# KiCad board CustomKeyboard-Simplified.kicad_pcb
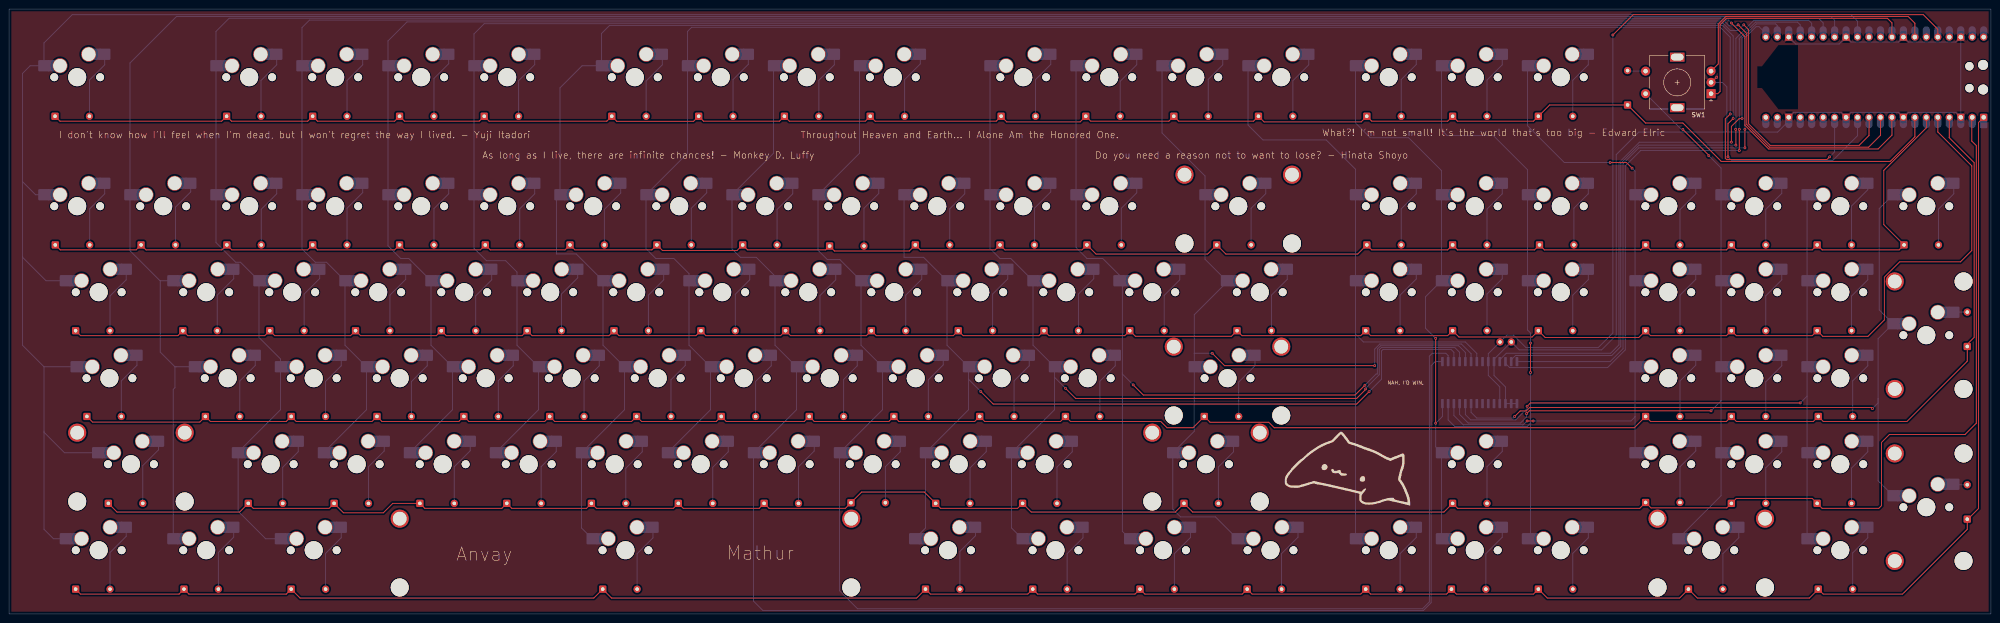
[diagram p0: board, top side]
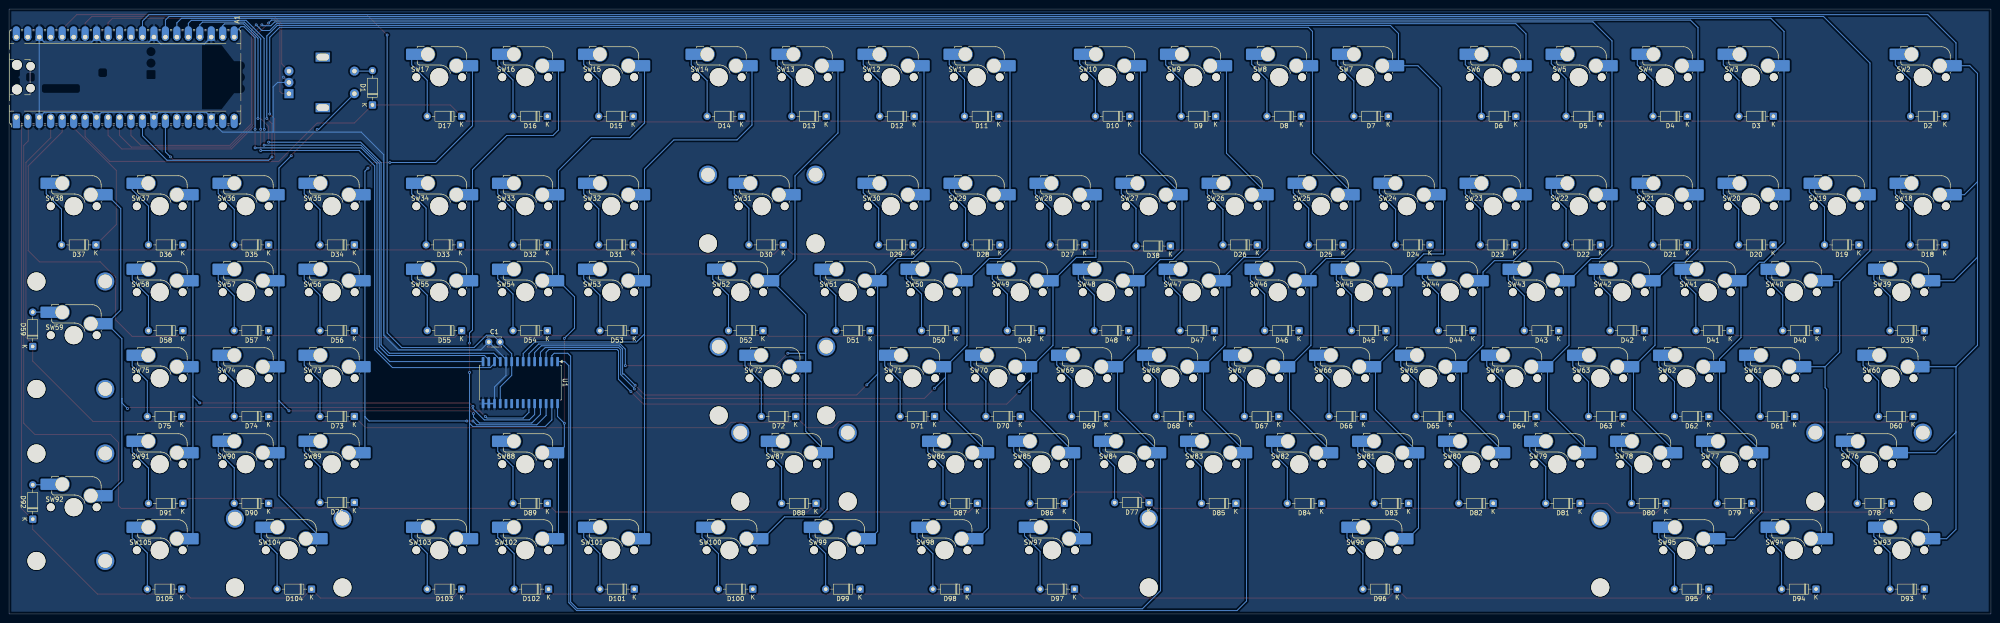
[diagram p1: board, bottom side, seen from below]

Outline 439 x 134 mm; copper layers: Top, Bottom. Coordinates in mm from the lower left corner of the outline.
Outline path: rectangle 0,134 439,0

## Placement (name value [footprint] x y rotation side)
A1  RaspberryPi_Pico  [RaspberryPi_Pico_Common_Unspecified]  413.26 118.9 90 bottom
C1  C-0.1uF  [C_Disc_D3.0mm_W2.0mm_P2.50mm]  332.75 60.25 180 bottom
D1  1N4148  [D_DO-35_SOD27_P7.62mm_Horizontal]  358.5 112.75 90 bottom
D2  1N4148  [D_DO-35_SOD27_P7.62mm_Horizontal]  10.19 110.25 0 bottom
D3  1N4148  [D_DO-35_SOD27_P7.62mm_Horizontal]  48.19 110.25 0 bottom
D4  1N4148  [D_DO-35_SOD27_P7.62mm_Horizontal]  67.25 110.25 0 bottom
D5  1N4148  [D_DO-35_SOD27_P7.62mm_Horizontal]  86.5 110.25 0 bottom
D6  1N4148  [D_DO-35_SOD27_P7.62mm_Horizontal]  105.25 110.25 0 bottom
D7  1N4148  [D_DO-35_SOD27_P7.62mm_Horizontal]  133.5 110.25 0 bottom
D8  1N4148  [D_DO-35_SOD27_P7.62mm_Horizontal]  152.75 110.25 0 bottom
D9  1N4148  [D_DO-35_SOD27_P7.62mm_Horizontal]  171.75 110.25 0 bottom
D10  1N4148  [D_DO-35_SOD27_P7.62mm_Horizontal]  190.75 110.25 0 bottom
D11  1N4148  [D_DO-35_SOD27_P7.62mm_Horizontal]  219.75 110.25 0 bottom
D12  1N4148  [D_DO-35_SOD27_P7.62mm_Horizontal]  238.5 110.25 0 bottom
D13  1N4148  [D_DO-35_SOD27_P7.62mm_Horizontal]  258 110.25 0 bottom
D14  1N4148  [D_DO-35_SOD27_P7.62mm_Horizontal]  276.75 110.25 0 bottom
D15  1N4148  [D_DO-35_SOD27_P7.62mm_Horizontal]  300.75 110.25 0 bottom
D16  1N4148  [D_DO-35_SOD27_P7.62mm_Horizontal]  319.75 110.25 0 bottom
D17  1N4148  [D_DO-35_SOD27_P7.62mm_Horizontal]  338.75 110.25 0 bottom
D18  1N4148  [D_DO-35_SOD27_P7.62mm_Horizontal]  10.25 81.75 0 bottom
D19  1N4148  [D_DO-35_SOD27_P7.62mm_Horizontal]  29.25 81.75 0 bottom
D20  1N4148  [D_DO-35_SOD27_P7.62mm_Horizontal]  48.25 81.75 0 bottom
D21  1N4148  [D_DO-35_SOD27_P7.62mm_Horizontal]  67.25 81.75 0 bottom
D22  1N4148  [D_DO-35_SOD27_P7.62mm_Horizontal]  86.5 81.75 0 bottom
D23  1N4148  [D_DO-35_SOD27_P7.62mm_Horizontal]  105.5 81.75 0 bottom
D24  1N4148  [D_DO-35_SOD27_P7.62mm_Horizontal]  124.25 81.75 0 bottom
D25  1N4148  [D_DO-35_SOD27_P7.62mm_Horizontal]  143.5 81.75 0 bottom
D26  1N4148  [D_DO-35_SOD27_P7.62mm_Horizontal]  162.5 81.75 0 bottom
D27  1N4148  [D_DO-35_SOD27_P7.62mm_Horizontal]  200.75 81.75 0 bottom
D28  1N4148  [D_DO-35_SOD27_P7.62mm_Horizontal]  219.5 81.75 0 bottom
D29  1N4148  [D_DO-35_SOD27_P7.62mm_Horizontal]  238.75 81.75 0 bottom
D30  1N4148  [D_DO-35_SOD27_P7.62mm_Horizontal]  267.5 81.75 0 bottom
D31  1N4148  [D_DO-35_SOD27_P7.62mm_Horizontal]  300.75 81.75 0 bottom
D32  1N4148  [D_DO-35_SOD27_P7.62mm_Horizontal]  319.75 81.75 0 bottom
D33  1N4148  [D_DO-35_SOD27_P7.62mm_Horizontal]  339 81.75 0 bottom
D34  1N4148  [D_DO-35_SOD27_P7.62mm_Horizontal]  362.5 81.75 0 bottom
D35  1N4148  [D_DO-35_SOD27_P7.62mm_Horizontal]  381.5 81.75 0 bottom
D36  1N4148  [D_DO-35_SOD27_P7.62mm_Horizontal]  400.5 81.75 0 bottom
D37  1N4148  [D_DO-35_SOD27_P7.62mm_Horizontal]  419.75 81.75 0 bottom
D38  1N4148  [D_DO-35_SOD27_P7.62mm_Horizontal]  181.75 81.5 0 bottom
D39  1N4148  [D_DO-35_SOD27_P7.62mm_Horizontal]  14.75 62.75 0 bottom
D40  1N4148  [D_DO-35_SOD27_P7.62mm_Horizontal]  38.5 62.75 0 bottom
D41  1N4148  [D_DO-35_SOD27_P7.62mm_Horizontal]  57.75 62.75 0 bottom
D42  1N4148  [D_DO-35_SOD27_P7.62mm_Horizontal]  76.75 62.75 0 bottom
D43  1N4148  [D_DO-35_SOD27_P7.62mm_Horizontal]  95.75 62.75 0 bottom
D44  1N4148  [D_DO-35_SOD27_P7.62mm_Horizontal]  114.75 62.75 0 bottom
D45  1N4148  [D_DO-35_SOD27_P7.62mm_Horizontal]  134 62.75 0 bottom
D46  1N4148  [D_DO-35_SOD27_P7.62mm_Horizontal]  153.25 62.75 0 bottom
D47  1N4148  [D_DO-35_SOD27_P7.62mm_Horizontal]  172 62.75 0 bottom
D48  1N4148  [D_DO-35_SOD27_P7.62mm_Horizontal]  191 62.75 0 bottom
D49  1N4148  [D_DO-35_SOD27_P7.62mm_Horizontal]  210.25 62.75 0 bottom
D50  1N4148  [D_DO-35_SOD27_P7.62mm_Horizontal]  229.25 62.75 0 bottom
D51  1N4148  [D_DO-35_SOD27_P7.62mm_Horizontal]  248.25 62.75 0 bottom
D52  1N4148  [D_DO-35_SOD27_P7.62mm_Horizontal]  272 62.75 0 bottom
D53  1N4148  [D_DO-35_SOD27_P7.62mm_Horizontal]  300.5 62.75 0 bottom
D54  1N4148  [D_DO-35_SOD27_P7.62mm_Horizontal]  319.75 62.75 0 bottom
D55  1N4148  [D_DO-35_SOD27_P7.62mm_Horizontal]  338.75 62.75 0 bottom
D56  1N4148  [D_DO-35_SOD27_P7.62mm_Horizontal]  362.5 62.75 0 bottom
D57  1N4148  [D_DO-35_SOD27_P7.62mm_Horizontal]  381.5 62.75 0 bottom
D58  1N4148  [D_DO-35_SOD27_P7.62mm_Horizontal]  400.5 62.75 0 bottom
D59  1N4148  [D_DO-35_SOD27_P7.62mm_Horizontal]  433.75 59.25 90 bottom
D60  1N4148  [D_DO-35_SOD27_P7.62mm_Horizontal]  17.25 43.75 0 bottom
D61  1N4148  [D_DO-35_SOD27_P7.62mm_Horizontal]  43.5 43.75 0 bottom
D62  1N4148  [D_DO-35_SOD27_P7.62mm_Horizontal]  62.5 43.75 0 bottom
D63  1N4148  [D_DO-35_SOD27_P7.62mm_Horizontal]  81.5 43.75 0 bottom
D64  1N4148  [D_DO-35_SOD27_P7.62mm_Horizontal]  100.75 43.75 0 bottom
D65  1N4148  [D_DO-35_SOD27_P7.62mm_Horizontal]  119.75 43.75 0 bottom
D66  1N4148  [D_DO-35_SOD27_P7.62mm_Horizontal]  139 43.75 0 bottom
D67  1N4148  [D_DO-35_SOD27_P7.62mm_Horizontal]  157.75 43.75 0 bottom
D68  1N4148  [D_DO-35_SOD27_P7.62mm_Horizontal]  177.25 43.75 0 bottom
D69  1N4148  [D_DO-35_SOD27_P7.62mm_Horizontal]  196 43.75 0 bottom
D70  1N4148  [D_DO-35_SOD27_P7.62mm_Horizontal]  215 43.75 0 bottom
D71  1N4148  [D_DO-35_SOD27_P7.62mm_Horizontal]  234 43.75 0 bottom
D72  1N4148  [D_DO-35_SOD27_P7.62mm_Horizontal]  264.75 43.75 0 bottom
D73  1N4148  [D_DO-35_SOD27_P7.62mm_Horizontal]  362.5 43.75 0 bottom
D74  1N4148  [D_DO-35_SOD27_P7.62mm_Horizontal]  381.5 43.75 0 bottom
D75  1N4148  [D_DO-35_SOD27_P7.62mm_Horizontal]  400.75 43.75 0 bottom
D76  1N4148  [D_DO-35_SOD27_P7.62mm_Horizontal]  362.5 24.7 0 bottom
D77  1N4148  [D_DO-35_SOD27_P7.62mm_Horizontal]  186.49 24.65 0 bottom
D78  1N4148  [D_DO-35_SOD27_P7.62mm_Horizontal]  22 24.5 0 bottom
D79  1N4148  [D_DO-35_SOD27_P7.62mm_Horizontal]  53 24.5 0 bottom
D80  1N4148  [D_DO-35_SOD27_P7.62mm_Horizontal]  72 24.5 0 bottom
D81  1N4148  [D_DO-35_SOD27_P7.62mm_Horizontal]  91 24.5 0 bottom
D82  1N4148  [D_DO-35_SOD27_P7.62mm_Horizontal]  110.25 24.5 0 bottom
D83  1N4148  [D_DO-35_SOD27_P7.62mm_Horizontal]  129 24.5 0 bottom
D84  1N4148  [D_DO-35_SOD27_P7.62mm_Horizontal]  148.25 24.5 0 bottom
D85  1N4148  [D_DO-35_SOD27_P7.62mm_Horizontal]  167.25 24.5 0 bottom
D86  1N4148  [D_DO-35_SOD27_P7.62mm_Horizontal]  205.25 24.5 0 bottom
D87  1N4148  [D_DO-35_SOD27_P7.62mm_Horizontal]  224.5 24.5 0 bottom
D88  1N4148  [D_DO-35_SOD27_P7.62mm_Horizontal]  260.25 24.5 0 bottom
D89  1N4148  [D_DO-35_SOD27_P7.62mm_Horizontal]  319.75 24.5 0 bottom
D90  1N4148  [D_DO-35_SOD27_P7.62mm_Horizontal]  381.5 24.5 0 bottom
D91  1N4148  [D_DO-35_SOD27_P7.62mm_Horizontal]  400.5 24.5 0 bottom
D92  1N4148  [D_DO-35_SOD27_P7.62mm_Horizontal]  433.75 21 90 bottom
D93  1N4148  [D_DO-35_SOD27_P7.62mm_Horizontal]  14.75 5.5 0 bottom
D94  1N4148  [D_DO-35_SOD27_P7.62mm_Horizontal]  38.75 5.5 0 bottom
D95  1N4148  [D_DO-35_SOD27_P7.62mm_Horizontal]  62.5 5.5 0 bottom
D96  1N4148  [D_DO-35_SOD27_P7.62mm_Horizontal]  131.5 5.5 0 bottom
D97  1N4148  [D_DO-35_SOD27_P7.62mm_Horizontal]  203 5.5 0 bottom
D98  1N4148  [D_DO-35_SOD27_P7.62mm_Horizontal]  226.75 5.5 0 bottom
D99  1N4148  [D_DO-35_SOD27_P7.62mm_Horizontal]  250.5 5.5 0 bottom
D100  1N4148  [D_DO-35_SOD27_P7.62mm_Horizontal]  274.25 5.5 0 bottom
D101  1N4148  [D_DO-35_SOD27_P7.62mm_Horizontal]  300.5 5.5 0 bottom
D102  1N4148  [D_DO-35_SOD27_P7.62mm_Horizontal]  319.5 5.5 0 bottom
D103  1N4148  [D_DO-35_SOD27_P7.62mm_Horizontal]  338.75 5.5 0 bottom
D104  1N4148  [D_DO-35_SOD27_P7.62mm_Horizontal]  372 5.5 0 bottom
D105  1N4148  [D_DO-35_SOD27_P7.62mm_Horizontal]  400.75 5.5 0 bottom
G***  -  [LOGO]  298.47 31.67 0 top
S1  MX_stab  [STAB_MX_P_2u]  272.27 90.33 0 top
S2  MX_stab  [STAB_MX_P_2u]  424.68 61.75 90 top
S3  MX_stab  [STAB_MX_P_2.25u]  269.89 52.22 0 top
S4  MX_stab  [STAB_MX_P_2.75u]  265.13 33.17 0 top
S5  MX_stab  [STAB_MX_P_2.25u]  27.01 33.17 0 top
S6  MX_stab  [STAB_MX_P_2u]  424.68 23.65 90 top
S7  MX_stab  [STAB_MX_P_2u]  377.05 14.12 0 top
S8  MX_stab  [STAB_MX_P_6.25u]  136.54 14.12 0 top
SW1  RotaryEncoder_Switch  [RotaryEncoder_Alps_EC11E-Switch_Vertical_H20mm]  377 115.25 180 top
SW2  SW_Push_45deg  [SW_MX_HS_CPG151101S11_1u]  15.1 118.9 180 bottom
SW3  SW_Push_45deg  [SW_MX_HS_CPG151101S11_1u]  53.2 118.9 180 bottom
SW4  SW_Push_45deg  [SW_MX_HS_CPG151101S11_1u]  72.25 118.9 180 bottom
SW5  SW_Push_45deg  [SW_MX_HS_CPG151101S11_1u]  91.3 118.9 180 bottom
SW6  SW_Push_45deg  [SW_MX_HS_CPG151101S11_1u]  110.35 118.9 180 bottom
SW7  SW_Push_45deg  [SW_MX_HS_CPG151101S11_1u]  138.61 118.9 180 bottom
SW8  SW_Push_45deg  [SW_MX_HS_CPG151101S11_1u]  157.66 118.9 180 bottom
SW9  SW_Push_45deg  [SW_MX_HS_CPG151101S11_1u]  176.71 118.9 180 bottom
SW10  SW_Push_45deg  [SW_MX_HS_CPG151101S11_1u]  195.76 118.9 180 bottom
SW11  SW_Push_45deg  [SW_MX_HS_CPG151101S11_1u]  224.65 118.9 180 bottom
SW12  SW_Push_45deg  [SW_MX_HS_CPG151101S11_1u]  243.7 118.9 180 bottom
SW13  SW_Push_45deg  [SW_MX_HS_CPG151101S11_1u]  262.75 118.9 180 bottom
SW14  SW_Push_45deg  [SW_MX_HS_CPG151101S11_1u]  281.8 118.9 180 bottom
SW15  SW_Push_45deg  [SW_MX_HS_CPG151101S11_1u]  305.61 118.9 180 bottom
SW16  SW_Push_45deg  [SW_MX_HS_CPG151101S11_1u]  324.66 118.9 180 bottom
SW17  SW_Push_45deg  [SW_MX_HS_CPG151101S11_1u]  343.71 118.9 180 bottom
SW18  SW_Push_45deg  [SW_MX_HS_CPG151101S11_1u]  15.1 90.33 180 bottom
SW19  SW_Push_45deg  [SW_MX_HS_CPG151101S11_1u]  34.15 90.33 180 bottom
SW20  SW_Push_45deg  [SW_MX_HS_CPG151101S11_1u]  53.2 90.33 180 bottom
SW21  SW_Push_45deg  [SW_MX_HS_CPG151101S11_1u]  72.25 90.33 180 bottom
SW22  SW_Push_45deg  [SW_MX_HS_CPG151101S11_1u]  91.3 90.33 180 bottom
SW23  SW_Push_45deg  [SW_MX_HS_CPG151101S11_1u]  110.35 90.33 180 bottom
SW24  SW_Push_45deg  [SW_MX_HS_CPG151101S11_1u]  129.4 90.33 180 bottom
SW25  SW_Push_45deg  [SW_MX_HS_CPG151101S11_1u]  148.45 90.33 180 bottom
SW26  SW_Push_45deg  [SW_MX_HS_CPG151101S11_1u]  167.5 90.33 180 bottom
SW27  SW_Push_45deg  [SW_MX_HS_CPG151101S11_1u]  186.55 90.33 180 bottom
SW28  SW_Push_45deg  [SW_MX_HS_CPG151101S11_1u]  205.6 90.33 180 bottom
SW29  SW_Push_45deg  [SW_MX_HS_CPG151101S11_1u]  224.65 90.33 180 bottom
SW30  SW_Push_45deg  [SW_MX_HS_CPG151101S11_1u]  243.7 90.33 180 bottom
SW31  SW_Push_45deg  [SW_MX_HS_CPG151101S11_1u]  272.27 90.33 180 bottom
SW32  SW_Push_45deg  [SW_MX_HS_CPG151101S11_1u]  305.61 90.33 180 bottom
SW33  SW_Push_45deg  [SW_MX_HS_CPG151101S11_1u]  324.66 90.33 180 bottom
SW34  SW_Push_45deg  [SW_MX_HS_CPG151101S11_1u]  343.71 90.33 180 bottom
SW35  SW_Push_45deg  [SW_MX_HS_CPG151101S11_1u]  367.52 90.33 180 bottom
SW36  SW_Push_45deg  [SW_MX_HS_CPG151101S11_1u]  386.57 90.33 180 bottom
SW37  SW_Push_45deg  [SW_MX_HS_CPG151101S11_1u]  405.62 90.33 180 bottom
SW38  SW_Push_45deg  [SW_MX_HS_CPG151101S11_1u]  424.68 90.33 180 bottom
SW39  SW_Push_45deg  [SW_MX_HS_CPG151101S11_1u]  19.86 71.28 180 bottom
SW40  SW_Push_45deg  [SW_MX_HS_CPG151101S11_1u]  43.67 71.28 180 bottom
SW41  SW_Push_45deg  [SW_MX_HS_CPG151101S11_1u]  62.72 71.28 180 bottom
SW42  SW_Push_45deg  [SW_MX_HS_CPG151101S11_1u]  81.78 71.28 180 bottom
SW43  SW_Push_45deg  [SW_MX_HS_CPG151101S11_1u]  100.83 71.28 180 bottom
SW44  SW_Push_45deg  [SW_MX_HS_CPG151101S11_1u]  119.88 71.28 180 bottom
SW45  SW_Push_45deg  [SW_MX_HS_CPG151101S11_1u]  138.93 71.28 180 bottom
SW46  SW_Push_45deg  [SW_MX_HS_CPG151101S11_1u]  157.97 71.28 180 bottom
SW47  SW_Push_45deg  [SW_MX_HS_CPG151101S11_1u]  177.03 71.28 180 bottom
SW48  SW_Push_45deg  [SW_MX_HS_CPG151101S11_1u]  196.07 71.28 180 bottom
SW49  SW_Push_45deg  [SW_MX_HS_CPG151101S11_1u]  215.12 71.28 180 bottom
SW50  SW_Push_45deg  [SW_MX_HS_CPG151101S11_1u]  234.18 71.28 180 bottom
SW51  SW_Push_45deg  [SW_MX_HS_CPG151101S11_1u]  253.23 71.28 180 bottom
SW52  SW_Push_45deg  [SW_MX_HS_CPG151101S11_1u]  277.04 71.28 180 bottom
SW53  SW_Push_45deg  [SW_MX_HS_CPG151101S11_1u]  305.61 71.28 180 bottom
SW54  SW_Push_45deg  [SW_MX_HS_CPG151101S11_1u]  324.66 71.28 180 bottom
SW55  SW_Push_45deg  [SW_MX_HS_CPG151101S11_1u]  343.71 71.28 180 bottom
SW56  SW_Push_45deg  [SW_MX_HS_CPG151101S11_1u]  367.52 71.28 180 bottom
SW57  SW_Push_45deg  [SW_MX_HS_CPG151101S11_1u]  386.57 71.28 180 bottom
SW58  SW_Push_45deg  [SW_MX_HS_CPG151101S11_1u]  405.62 71.28 180 bottom
SW59  SW_Push_45deg  [SW_MX_HS_CPG151101S11_1u]  424.68 61.75 180 bottom
SW60  SW_Push_45deg  [SW_MX_HS_CPG151101S11_1u]  22.24 52.22 180 bottom
SW61  SW_Push_45deg  [SW_MX_HS_CPG151101S11_1u]  48.44 52.22 180 bottom
SW62  SW_Push_45deg  [SW_MX_HS_CPG151101S11_1u]  67.49 52.22 180 bottom
SW63  SW_Push_45deg  [SW_MX_HS_CPG151101S11_1u]  86.54 52.22 180 bottom
SW64  SW_Push_45deg  [SW_MX_HS_CPG151101S11_1u]  105.59 52.22 180 bottom
SW65  SW_Push_45deg  [SW_MX_HS_CPG151101S11_1u]  124.64 52.22 180 bottom
SW66  SW_Push_45deg  [SW_MX_HS_CPG151101S11_1u]  143.69 52.22 180 bottom
SW67  SW_Push_45deg  [SW_MX_HS_CPG151101S11_1u]  162.74 52.22 180 bottom
SW68  SW_Push_45deg  [SW_MX_HS_CPG151101S11_1u]  181.79 52.22 180 bottom
SW69  SW_Push_45deg  [SW_MX_HS_CPG151101S11_1u]  200.84 52.22 180 bottom
SW70  SW_Push_45deg  [SW_MX_HS_CPG151101S11_1u]  219.89 52.22 180 bottom
SW71  SW_Push_45deg  [SW_MX_HS_CPG151101S11_1u]  238.94 52.22 180 bottom
SW72  SW_Push_45deg  [SW_MX_HS_CPG151101S11_1u]  269.89 52.22 180 bottom
SW73  SW_Push_45deg  [SW_MX_HS_CPG151101S11_1u]  367.52 52.22 180 bottom
SW74  SW_Push_45deg  [SW_MX_HS_CPG151101S11_1u]  386.57 52.22 180 bottom
SW75  SW_Push_45deg  [SW_MX_HS_CPG151101S11_1u]  405.62 52.22 180 bottom
SW76  SW_Push_45deg  [SW_MX_HS_CPG151101S11_1u]  27.01 33.17 180 bottom
SW77  SW_Push_45deg  [SW_MX_HS_CPG151101S11_1u]  57.96 33.17 180 bottom
SW78  SW_Push_45deg  [SW_MX_HS_CPG151101S11_1u]  77.01 33.17 180 bottom
SW79  SW_Push_45deg  [SW_MX_HS_CPG151101S11_1u]  96.06 33.17 180 bottom
SW80  SW_Push_45deg  [SW_MX_HS_CPG151101S11_1u]  115.11 33.17 180 bottom
SW81  SW_Push_45deg  [SW_MX_HS_CPG151101S11_1u]  134.16 33.17 180 bottom
SW82  SW_Push_45deg  [SW_MX_HS_CPG151101S11_1u]  153.21 33.17 180 bottom
SW83  SW_Push_45deg  [SW_MX_HS_CPG151101S11_1u]  172.26 33.17 180 bottom
SW84  SW_Push_45deg  [SW_MX_HS_CPG151101S11_1u]  191.31 33.17 180 bottom
SW85  SW_Push_45deg  [SW_MX_HS_CPG151101S11_1u]  210.36 33.17 180 bottom
SW86  SW_Push_45deg  [SW_MX_HS_CPG151101S11_1u]  229.41 33.17 180 bottom
SW87  SW_Push_45deg  [SW_MX_HS_CPG151101S11_1u]  265.13 33.17 180 bottom
SW88  SW_Push_45deg  [SW_MX_HS_CPG151101S11_1u]  324.66 33.17 180 bottom
SW89  SW_Push_45deg  [SW_MX_HS_CPG151101S11_1u]  367.52 33.17 180 bottom
SW90  SW_Push_45deg  [SW_MX_HS_CPG151101S11_1u]  386.57 33.17 180 bottom
SW91  SW_Push_45deg  [SW_MX_HS_CPG151101S11_1u]  405.62 33.17 180 bottom
SW92  SW_Push_45deg  [SW_MX_HS_CPG151101S11_1u]  424.68 23.65 180 bottom
SW93  SW_Push_45deg  [SW_MX_HS_CPG151101S11_1u]  19.86 14.12 180 bottom
SW94  SW_Push_45deg  [SW_MX_HS_CPG151101S11_1u]  43.67 14.12 180 bottom
SW95  SW_Push_45deg  [SW_MX_HS_CPG151101S11_1u]  67.49 14.12 180 bottom
SW96  SW_Push_45deg  [SW_MX_HS_CPG151101S11_1u]  136.54 14.12 180 bottom
SW97  SW_Push_45deg  [SW_MX_HS_CPG151101S11_1u]  207.98 14.12 180 bottom
SW98  SW_Push_45deg  [SW_MX_HS_CPG151101S11_1u]  231.79 14.12 180 bottom
SW99  SW_Push_45deg  [SW_MX_HS_CPG151101S11_1u]  255.61 14.12 180 bottom
SW100  SW_Push_45deg  [SW_MX_HS_CPG151101S11_1u]  279.42 14.12 180 bottom
SW101  SW_Push_45deg  [SW_MX_HS_CPG151101S11_1u]  305.61 14.12 180 bottom
SW102  SW_Push_45deg  [SW_MX_HS_CPG151101S11_1u]  324.66 14.12 180 bottom
SW103  SW_Push_45deg  [SW_MX_HS_CPG151101S11_1u]  343.71 14.12 180 bottom
SW104  SW_Push_45deg  [SW_MX_HS_CPG151101S11_1u]  377.05 14.12 180 bottom
SW105  SW_Push_45deg  [SW_MX_HS_CPG151101S11_1u]  405.62 14.12 180 bottom
U1  MCP23S17x-x-SO  [SOIC-28W_7.5x17.9mm_P1.27mm]  325.75 51.25 270 bottom

## Library data of the parts
A1 = -: Datasheet: https://datasheets.raspberrypi.com/pico/pico-datasheet.pdf; Description: Versatile and inexpensive microcontroller module powered by RP2040 dual-core Arm Cortex-M0+ processor up to 133 MHz, 264kB SRAM, 2MB QSPI flash; also supports Raspberry Pi Pico 2; ki_fp_filters: RaspberryPi?Pico?Common* RaspberryPi?Pico?SMD*
C1 = -: Description: Unpolarized capacitor; KiLib_Generator: capacitor/THT/other; ki_fp_filters: C_*
D1-D105 = -: Datasheet: https://assets.nexperia.com/documents/data-sheet/1N4148_1N4448.pdf; Description: 100V 0.15A standard switching diode, DO-35; KiLib_Generator: diode/THT; Sim.Device: D; Sim.Pins: 1=K 2=A; ki_fp_filters: D*DO?35*
S1-S8 = -: Description: Cherry MX-style stabilizer
SW1 = -: Description: Rotary encoder, dual channel, incremental quadrate outputs, with switch; ki_fp_filters: RotaryEncoder*Switch*
SW2-SW105 = -: Description: Push button switch, normally open, two pins, 45° tilted
U1 = -: Datasheet: http://ww1.microchip.com/downloads/en/DeviceDoc/20001952C.pdf; Description: 16-bit I/O expander, SPI, interrupts, w pull-ups, SOIC-28; KiLib_Generator: package/gullwing; ki_fp_filters: SOIC*7.5x17.9mm*P1.27mm*

## Footprints (pads in the part's own frame, mm; a bottom-side part is the same pattern mirrored in y, then rotated)
C_Disc_D3.0mm_W2.0mm_P2.50mm
  round 1.6 hole 0.8: 1(0,0) 2(2.5,0)
D_DO-35_SOD27_P7.62mm_Horizontal
  rrect 1.6x1.6 hole 0.8: 1(0,0)
  round 1.6 hole 0.8: 2(7.62,0)
RaspberryPi_Pico_Common_Unspecified
  round 2.2 hole 2.2 unplated: (-2.725,24) (2.725,24)
  round 1.85 hole 1.85 unplated: (-2.425,20.97) (2.425,20.97)
  custom 3.2x1.6 smd: 1(-9.69,24.13) 3(-9.69,19.05) 8(-9.69,6.35) 13(-9.69,-6.35) 18(-9.69,-19.05) 23(9.69,-19.05) 28(9.69,-6.35) 33(9.69,6.35) 38(9.69,19.05)
  rrect 1.6x1.6 hole 1: 1(-8.89,24.13)
  rrect 3.2x1.6 smd: 2(-9.69,21.59) 4(-9.69,16.51) 5(-9.69,13.97) 6(-9.69,11.43) 7(-9.69,8.89) 9(-9.69,3.81) 10(-9.69,1.27) 11(-9.69,-1.27) 12(-9.69,-3.81) 14(-9.69,-8.89) 15(-9.69,-11.43) 16(-9.69,-13.97) 17(-9.69,-16.51) 19(-9.69,-21.59) 20(-9.69,-24.13) 21(9.69,-24.13) 22(9.69,-21.59) 24(9.69,-16.51) 25(9.69,-13.97) 26(9.69,-11.43) 27(9.69,-8.89) 29(9.69,-3.81) 30(9.69,-1.27) 31(9.69,1.27) 32(9.69,3.81) 34(9.69,8.89) 35(9.69,11.43) 36(9.69,13.97) 37(9.69,16.51) 39(9.69,21.59) 40(9.69,24.13)
  round 1.6 hole 1: 2(-8.89,21.59) 4(-8.89,16.51) 5(-8.89,13.97) 6(-8.89,11.43) 7(-8.89,8.89) 9(-8.89,3.81) 10(-8.89,1.27) 11(-8.89,-1.27) 12(-8.89,-3.81) 14(-8.89,-8.89) 15(-8.89,-11.43) 16(-8.89,-13.97) 17(-8.89,-16.51) 19(-8.89,-21.59) 20(-8.89,-24.13) 21(8.89,-24.13) 22(8.89,-21.59) 24(8.89,-16.51) 25(8.89,-13.97) 26(8.89,-11.43) 27(8.89,-8.89) 29(8.89,-3.81) 30(8.89,-1.27) 31(8.89,1.27) 32(8.89,3.81) 34(8.89,8.89) 35(8.89,11.43) 36(8.89,13.97) 37(8.89,16.51) 39(8.89,21.59) 40(8.89,24.13)
  custom 1.6x1.6 hole 1: 3(-8.89,19.05) 8(-8.89,6.35) 13(-8.89,-6.35) 18(-8.89,-19.05) 23(8.89,-19.05) 28(8.89,-6.35) 33(8.89,6.35) 38(8.89,19.05)
RotaryEncoder_Alps_EC11E-Switch_Vertical_H20mm
  rect 2x2 hole 1: A(0,0)
  round 2 hole 1: B(0,-5) C(0,-2.5) S1(14.5,-5) S2(14.5,0)
  rect 3.2x2 hole 2.8x1.5: MP(7.5,3.1) MP(7.5,-8.1)
SOIC-28W_7.5x17.9mm_P1.27mm
  rrect 2.05x0.6 smd: 1(-4.65,8.255) 2(-4.65,6.985) 3(-4.65,5.715) 4(-4.65,4.445) 5(-4.65,3.175) 6(-4.65,1.905) 7(-4.65,0.635) 8(-4.65,-0.635) 9(-4.65,-1.905) 10(-4.65,-3.175) 11(-4.65,-4.445) 12(-4.65,-5.715) 13(-4.65,-6.985) 14(-4.65,-8.255) 15(4.65,-8.255) 16(4.65,-6.985) 17(4.65,-5.715) 18(4.65,-4.445) 19(4.65,-3.175) 20(4.65,-1.905) 21(4.65,-0.635) 22(4.65,0.635) 23(4.65,1.905) 24(4.65,3.175) 25(4.65,4.445) 26(4.65,5.715) 27(4.65,6.985) 28(4.65,8.255)
STAB_MX_P_2.25u
  round 4 hole 3.048: (-11.906,6.985) (11.906,6.985)
  round 3.988 hole 3.988 unplated: (-11.906,-8.255) (11.906,-8.255)
STAB_MX_P_2.75u
  round 4 hole 3.048: (-11.906,6.985) (11.906,6.985)
  round 3.988 hole 3.988 unplated: (-11.906,-8.255) (11.906,-8.255)
STAB_MX_P_2u
  round 4 hole 3.048: (-11.906,6.985) (11.906,6.985)
  round 3.988 hole 3.988 unplated: (-11.906,-8.255) (11.906,-8.255)
STAB_MX_P_6.25u
  round 4 hole 3.048: (-50.006,6.985) (50.006,6.985)
  round 3.988 hole 3.988 unplated: (-50.006,-8.255) (50.006,-8.255)
SW_MX_HS_CPG151101S11_1u
  round 1.75 hole 1.75 unplated: (-5.08,0) (5.08,0)
  round 3.988 hole 3.988 unplated: (0,0)
  round 3.3 hole 3: 1(3.81,2.54) 2(-2.54,5.08)
  rect 1.65x2.5 smd: 1(5.635,2.54) 2(-4.34,5.08)
  rrect 2.55x2.5 smd: 1(7.36,2.54) 2(-6.09,5.08)
